# KiCad board HPM1500_DDR2_CORE_RevA.kicad_pcb (continued)
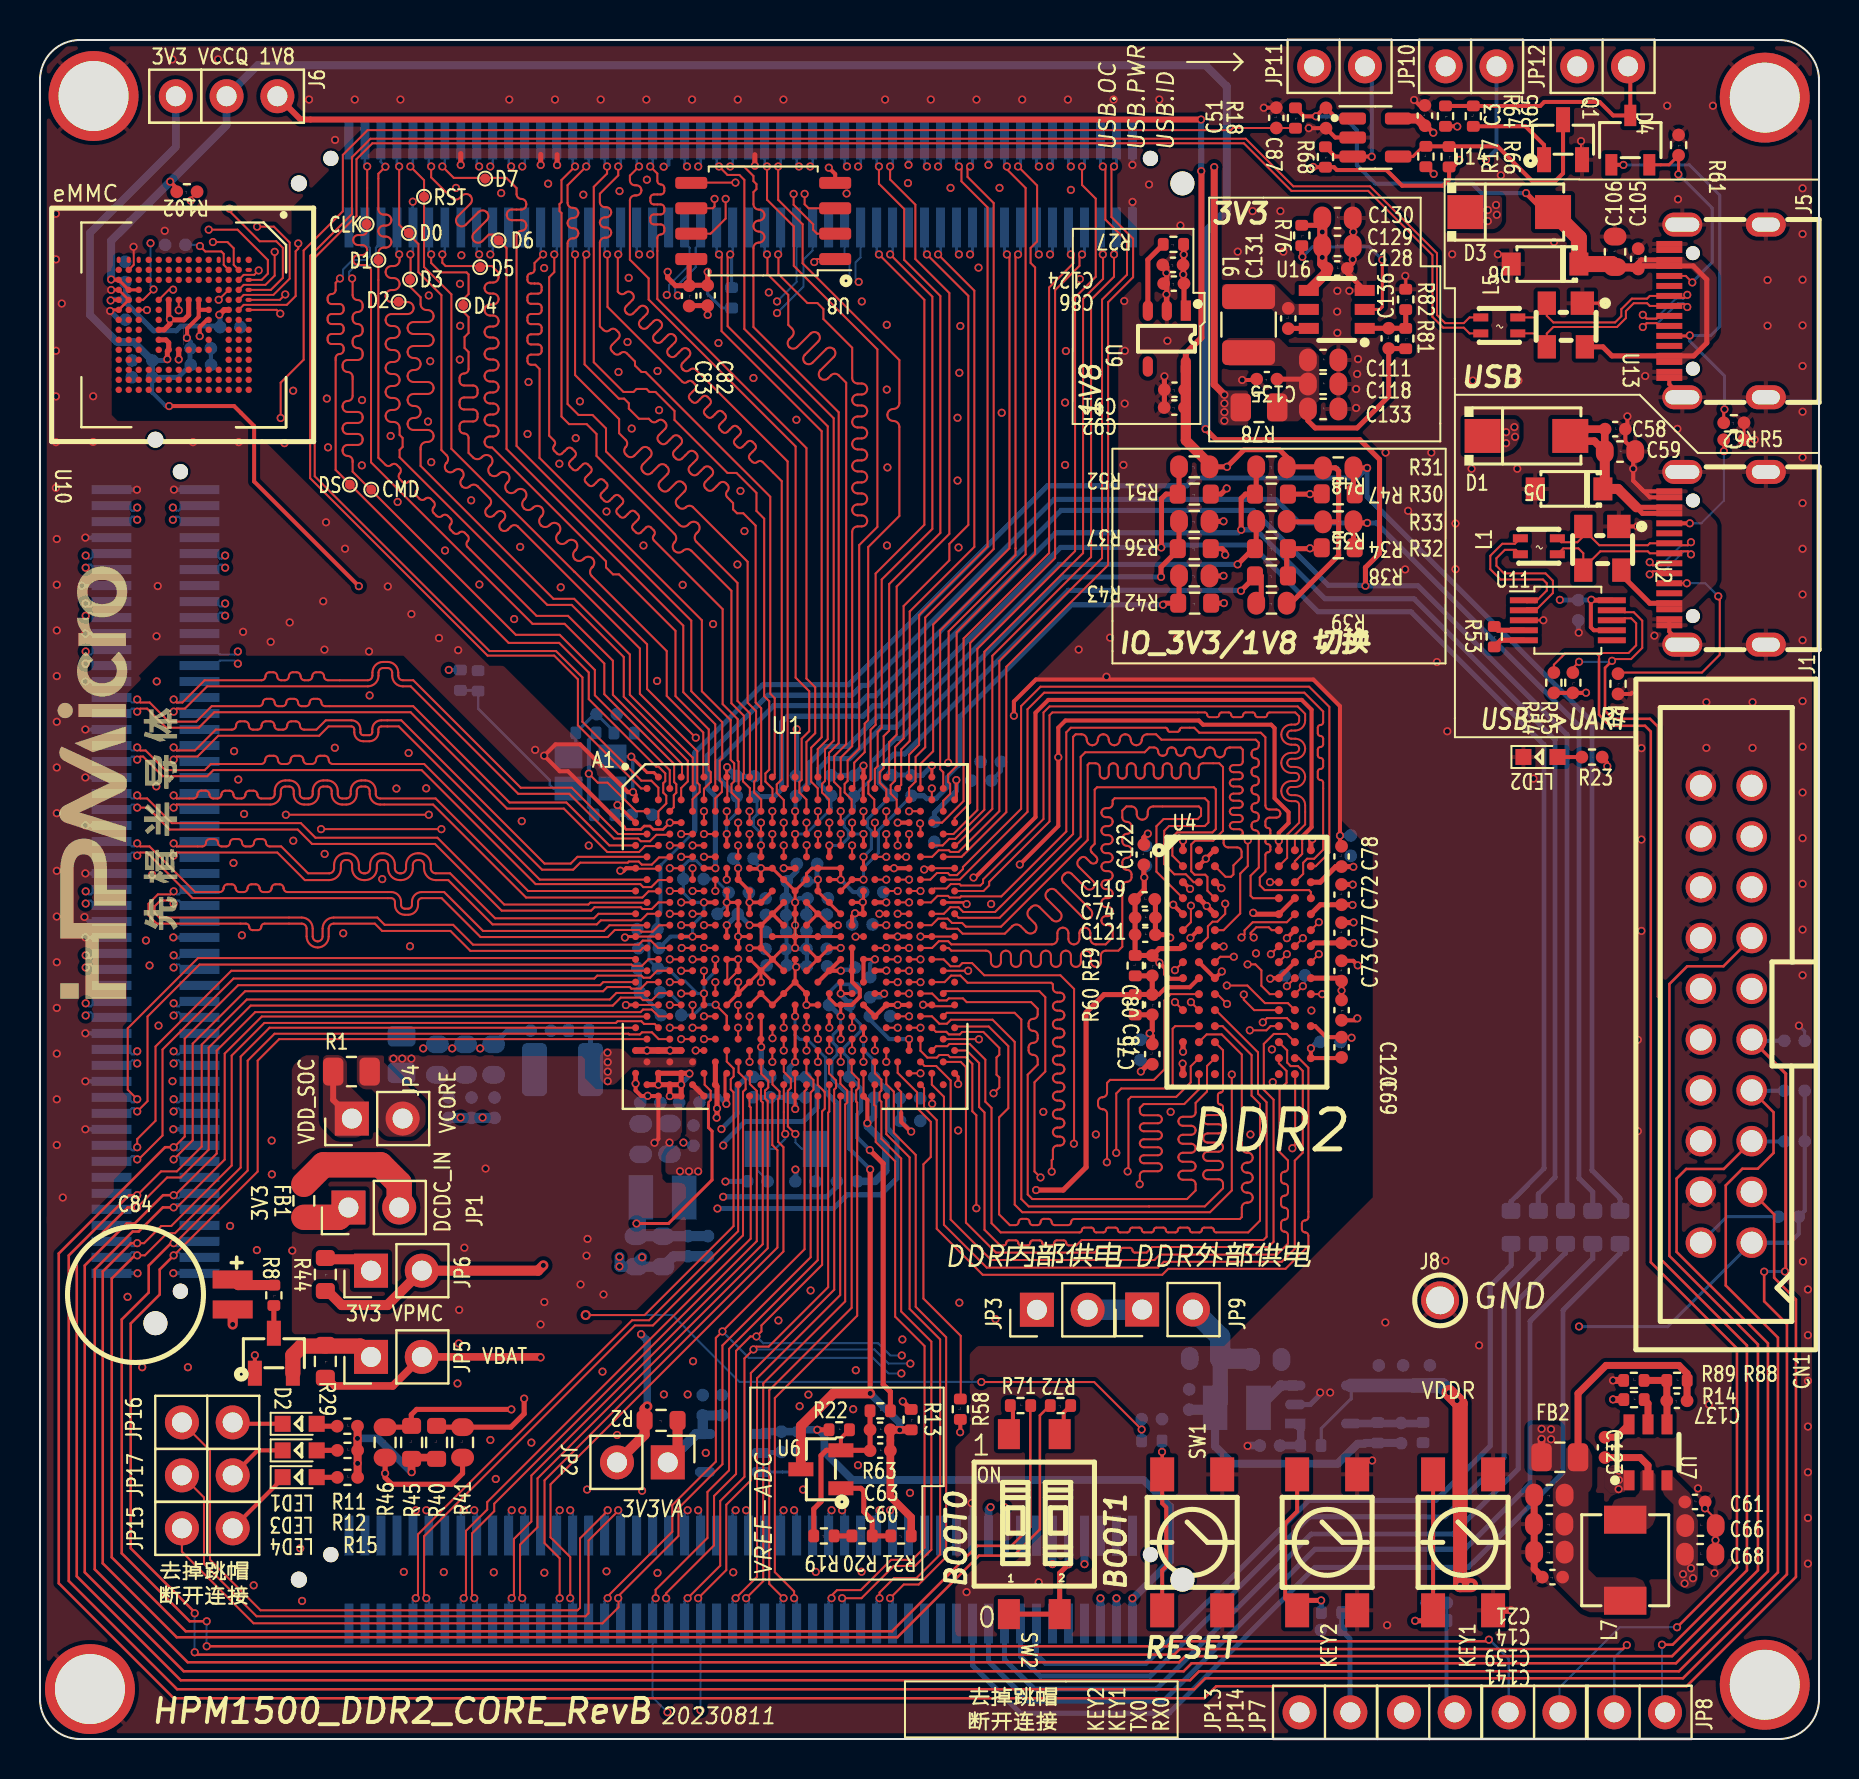
[diagram p0: board, top side]
## Routing (per net, layer and track width the routed paths; a pad name or vN(x,y) marks a point on that pad's centre or on a via; arc(x,y) is an arc through that point) (continued)
/Main/DDR2/DML: length 29.5
  Top w0.102: v1(60.42,44.96) 60.42,43.67 60.04,43.29 60.04,41.3 59.21,40.46 U4.F3 ; v1(42.34,42.99) U1.K22
  In2.Cu w0.102: v1(42.34,42.99) 42.9,42.99 43.14,43.24 43.14,43.38 47.69,47.92 54.15,47.92 arc(54.23,47.96) 54.26,48.04 arc(54.3,48.12) 54.38,48.16 54.75,48.16 arc(54.83,48.12) 54.86,48.04 arc(54.9,47.96) 54.98,47.92 55.35,47.92 arc(55.43,47.96) 55.46,48.04 arc(55.5,48.12) 55.58,48.16 55.95,48.16 arc(56.03,48.12) 56.06,48.04 arc(56.1,47.96) 56.18,47.92 56.55,47.92 arc(56.63,47.96) 56.66,48.04 arc(56.7,48.12) 56.78,48.16 57.15,48.16 arc(57.23,48.12) 57.26,48.04 arc(57.3,47.96) 57.38,47.92 57.75,47.92 arc(57.83,47.96) 57.86,48.04 arc(57.9,48.12) 57.98,48.16 58.35,48.16 arc(58.43,48.12) 58.46,48.04 arc(58.5,47.96) 58.58,47.92 59.09,47.92 60.42,46.59 v1(60.42,44.96)
/Main/DDR2/DMU: length 36.5
  Top w0.102: U1.N29 45.96,41.08 48,41.08 52.06,45.14 52.06,49.13 52.29,49.36 55.26,49.36 55.5,49.6 55.73,49.6 arc(55.88,49.54) 55.94,49.4 arc(56,49.25) 56.14,49.19 56.18,49.19 arc(56.33,49.25) 56.39,49.4 arc(56.45,49.54) 56.59,49.6 56.63,49.6 arc(56.78,49.54) 56.84,49.4 arc(56.9,49.25) 57.04,49.19 57.08,49.19 arc(57.23,49.25) 57.29,49.4 arc(57.35,49.54) 57.49,49.6 57.53,49.6 arc(57.7,49.53) 57.78,49.36 arc(57.85,49.19) 58.02,49.11 58.03,49.11 arc(58.2,49.19) 58.28,49.36 arc(58.35,49.53) 58.52,49.6 58.53,49.6 arc(58.7,49.53) 58.78,49.36 arc(58.85,49.19) 59.02,49.11 59.03,49.11 arc(59.2,49.19) 59.28,49.36 arc(59.35,49.53) 59.52,49.6 60.06,49.6 60.17,49.49 60.17,48.9 arc(60.12,48.78) 59.99,48.72 59.7,48.72 arc(59.57,48.67) 59.52,48.55 arc(59.57,48.42) 59.7,48.37 59.99,48.37 arc(60.12,48.32) 60.17,48.19 arc(60.12,48.06) 59.99,48.01 59.7,48.01 arc(59.57,47.96) 59.52,47.83 arc(59.57,47.71) 59.7,47.65 59.99,47.65 arc(60.12,47.6) 60.17,47.48 arc(60.12,47.35) 59.99,47.3 59.7,47.3 arc(59.57,47.25) 59.52,47.12 arc(59.57,46.99) 59.7,46.94 59.99,46.94 arc(60.12,46.89) 60.17,46.76 arc(60.12,46.64) 59.99,46.59 59.7,46.59 arc(59.57,46.53) 59.52,46.41 arc(59.57,46.28) 59.7,46.23 59.99,46.23 arc(60.12,46.18) 60.17,46.05 arc(60.12,45.92) 59.99,45.87 59.7,45.87 arc(59.57,45.82) 59.52,45.69 arc(59.57,45.57) 59.7,45.52 59.99,45.52 arc(60.12,45.46) 60.17,45.34 60.17,45.29 59.98,45.1 59.34,45.1 59.21,44.97 59.21,44.83 arc(59.28,44.67) 59.44,44.61 59.88,44.61 arc(60.04,44.54) 60.11,44.38 60.11,44.11 59.7,43.7 59.7,43.25 59.58,43.13 59.31,43.13 U4.B3
/Main/DDR2/DQL0: length 29.5
  Top w0.102: v1(59.72,39.13) 59.05,39.13 U4.H3 ; U1.T24 v1(43.47,39.57)
  In2.Cu w0.102: v1(59.72,39.13) 59.43,38.84 58.93,38.84 58.76,39.01 58.76,39.43 58.51,39.68 54.85,39.68 54.68,39.85 arc(54.5,39.93) 54.32,39.86 arc(54.14,39.78) 53.96,39.86 53.89,39.92 arc(53.82,40.1) 53.89,40.28 arc(53.97,40.46) 53.89,40.64 53.3,41.23 53.06,41.23 arc(52.92,41.18) 52.86,41.03 52.86,40.54 arc(52.8,40.4) 52.66,40.34 arc(52.52,40.4) 52.46,40.54 52.46,41.03 arc(52.4,41.18) 52.26,41.23 arc(52.12,41.18) 52.06,41.03 52.06,40.54 arc(52,40.4) 51.86,40.34 arc(51.72,40.4) 51.66,40.54 51.66,41.03 arc(51.6,41.18) 51.46,41.23 arc(51.32,41.18) 51.26,41.03 51.26,40.54 arc(51.2,40.4) 51.06,40.34 arc(50.92,40.4) 50.86,40.54 50.86,41.03 arc(50.8,41.18) 50.66,41.23 arc(50.52,41.18) 50.46,41.03 50.46,40.54 arc(50.4,40.4) 50.26,40.34 arc(50.12,40.4) 50.06,40.54 50.06,41.03 arc(50,41.18) 49.86,41.23 arc(49.72,41.18) 49.66,41.03 49.66,40.54 arc(49.6,40.4) 49.46,40.34 arc(49.32,40.4) 49.26,40.54 49.26,41.03 arc(49.2,41.18) 49.06,41.23 arc(48.92,41.18) 48.86,41.03 48.86,40.54 arc(48.8,40.4) 48.66,40.34 arc(48.52,40.4) 48.46,40.54 48.46,41.03 arc(48.4,41.18) 48.26,41.23 48.12,41.23 47.87,40.98 47.87,40.46 47.74,40.33 47.22,40.33 46.61,39.72 43.88,39.72 43.72,39.57 v1(43.47,39.57)
/Main/DDR2/DQL1: length 29.5
  Top w0.102: U4.F9 v1(63.97,40.86) ; U1.K24 v1(43.47,42.99)
  In2.Cu w0.102: v1(63.97,40.86) 63.97,41.9 arc(63.91,42.06) 63.74,42.13 arc(63.58,42.2) 63.51,42.36 63.51,42.5 arc(63.58,42.66) 63.74,42.73 arc(63.91,42.8) 63.97,42.96 63.97,43.4 63.08,44.29 60.37,44.29 59.98,44.68 59.98,46.39 58.89,47.48 47.78,47.48 44.34,44.05 44.18,44.05 43.78,43.65 43.78,43.3 v1(43.47,42.99)
/Main/DDR2/DQL2: length 29.5
  Top w0.102: U4.H1 v1(56.78,38.46) ; U1.T22 v1(42.34,39.57)
  In2.Cu w0.102: v1(56.78,38.46) 56.78,38.47 58.27,38.47 58.47,38.67 58.47,39.26 58.37,39.36 57.96,39.36 57.88,39.28 57.88,39.06 57.73,38.91 56.52,38.91 56.4,39.03 56.4,39.27 56.31,39.36 53.64,39.36 arc(53.51,39.41) 53.46,39.54 53.46,39.83 arc(53.4,39.96) 53.28,40.01 arc(53.15,39.96) 53.1,39.83 53.1,39.54 arc(53.05,39.41) 52.92,39.36 arc(52.8,39.41) 52.74,39.54 52.74,39.83 arc(52.69,39.96) 52.57,40.01 arc(52.44,39.96) 52.39,39.83 52.39,39.54 arc(52.34,39.41) 52.21,39.36 arc(52.08,39.41) 52.03,39.54 52.03,39.83 arc(51.98,39.96) 51.85,40.01 arc(51.73,39.96) 51.68,39.83 51.68,39.54 arc(51.62,39.41) 51.5,39.36 arc(51.37,39.41) 51.32,39.54 51.32,39.83 arc(51.27,39.96) 51.14,40.01 arc(51.01,39.96) 50.96,39.83 50.96,39.54 arc(50.91,39.41) 50.78,39.36 arc(50.66,39.41) 50.61,39.54 50.61,39.83 arc(50.55,39.96) 50.43,40.01 arc(50.3,39.96) 50.25,39.83 50.25,39.54 arc(50.2,39.41) 50.07,39.36 arc(49.95,39.41) 49.89,39.54 49.89,39.83 arc(49.84,39.96) 49.71,40.01 arc(49.59,39.96) 49.54,39.83 49.54,39.54 arc(49.48,39.41) 49.36,39.36 arc(49.23,39.41) 49.18,39.54 49.18,39.83 arc(49.13,39.96) 49,40.01 arc(48.88,39.96) 48.82,39.83 48.82,39.54 arc(48.77,39.41) 48.65,39.36 arc(48.52,39.41) 48.47,39.54 48.47,39.83 arc(48.42,39.96) 48.29,40.01 arc(48.16,39.96) 48.11,39.83 48.11,39.54 arc(48.06,39.41) 47.93,39.36 arc(47.81,39.41) 47.75,39.54 47.75,39.83 arc(47.7,39.96) 47.58,40.01 arc(47.45,39.96) 47.4,39.83 47.4,39.54 arc(47.35,39.41) 47.22,39.36 43.83,39.36 43.69,39.22 43.26,39.22 42.9,39.57 v1(42.34,39.57)
/Main/DDR2/DQL3: length 29.5
  Top w0.102: U4.G8 v1(63.18,40.06) ; v1(42.91,42.42) U1.L23
  In2.Cu w0.102: v1(63.18,40.06) 63.18,41.82 62.92,42.07 arc(62.86,42.22) 62.92,42.36 arc(62.98,42.5) 62.92,42.64 62.82,42.75 arc(62.67,42.81) 62.53,42.75 arc(62.39,42.69) 62.25,42.75 62.14,42.85 arc(62.08,42.99) 62.14,43.14 arc(62.2,43.28) 62.14,43.42 62.04,43.53 arc(61.9,43.58) 61.75,43.52 arc(61.61,43.47) 61.47,43.52 61.06,43.93 60.14,43.93 59.62,44.45 59.62,46.14 58.72,47.04 47.89,47.04 44.72,43.88 44.72,43.34 44.37,42.99 44.03,42.99 43.47,42.42 v1(42.91,42.42)
/Main/DDR2/DQL4: length 29.5
  Top w0.102: v1(57.58,41.69) 57.58,40.86 U4.F1 ; U1.N25 v1(42.91,41.28)
  In2.Cu w0.102: v1(42.91,41.28) 45.22,41.28 45.68,41.75 45.68,42.14 46.12,42.58 46.12,43.14 47.25,44.26 47.64,44.26 arc(47.82,44.34) 47.89,44.51 47.89,44.78 arc(47.96,44.95) 48.14,45.03 arc(48.32,44.95) 48.39,44.78 48.39,44.51 arc(48.46,44.34) 48.64,44.26 arc(48.82,44.34) 48.89,44.51 48.89,44.78 arc(48.96,44.95) 49.14,45.03 arc(49.32,44.95) 49.39,44.78 49.39,44.51 arc(49.46,44.34) 49.64,44.26 arc(49.82,44.34) 49.89,44.51 49.89,44.78 arc(49.96,44.95) 50.14,45.03 arc(50.32,44.95) 50.39,44.78 50.39,44.51 arc(50.46,44.34) 50.64,44.26 arc(50.82,44.34) 50.89,44.51 50.89,44.78 arc(50.96,44.95) 51.14,45.03 arc(51.32,44.95) 51.39,44.78 51.39,44.51 arc(51.46,44.34) 51.64,44.26 arc(51.82,44.34) 51.89,44.51 51.89,44.78 arc(51.96,44.95) 52.14,45.03 arc(52.32,44.95) 52.39,44.78 52.39,44.51 arc(52.46,44.34) 52.64,44.26 arc(52.82,44.34) 52.89,44.51 52.89,44.78 arc(52.96,44.95) 53.14,45.03 arc(53.32,44.95) 53.39,44.78 53.39,44.51 arc(53.46,44.34) 53.64,44.26 arc(53.82,44.34) 53.89,44.51 53.89,44.78 arc(53.96,44.95) 54.14,45.03 arc(54.32,44.95) 54.39,44.78 54.39,44.51 arc(54.46,44.34) 54.64,44.26 55,44.26 55.13,44.13 arc(55.31,44.06) 55.48,44.14 55.69,44.34 arc(55.87,44.41) 56.04,44.34 arc(56.12,44.16) 56.04,43.99 55.84,43.78 arc(55.76,43.6) 55.84,43.43 arc(56.01,43.35) 56.19,43.43 56.4,43.63 arc(56.57,43.71) 56.75,43.63 arc(56.82,43.46) 56.75,43.28 56.54,43.07 arc(56.47,42.9) 56.54,42.72 v1(57.58,41.69)
/Main/DDR2/DQL5: length 29.5
  Top w0.102: U4.H9 v1(63.97,39.26) ; v1(44.05,42.42) U1.L25
  In2.Cu w0.102: v1(63.97,39.26) 63.47,39.26 62.82,39.92 62.82,40.7 62.57,40.95 arc(62.5,41.11) 62.57,41.27 62.72,41.42 arc(62.79,41.58) 62.72,41.74 arc(62.56,41.8) 62.41,41.74 62.25,41.58 arc(62.09,41.52) 61.93,41.58 arc(61.87,41.74) 61.93,41.9 62.09,42.06 arc(62.15,42.22) 62.09,42.38 arc(61.93,42.44) 61.77,42.38 61.61,42.22 arc(61.45,42.15) 61.3,42.22 59.18,44.33 59.18,45.88 58.38,46.68 48.08,46.68 45.1,43.71 45.1,43.22 44.31,42.42 v1(44.05,42.42)
/Main/DDR2/DQL6: length 29.5
  Top w0.102: U1.N23 v1(41.99,41.28) ; U4.G2 58.42,40.11 58.42,40.66 58.66,40.89 58.9,40.89 59.29,41.28 v1(59.29,41.79)
  In2.Cu w0.102: v1(59.29,41.79) 58.99,41.79 57.87,42.9 57.87,45.44 57.49,45.82 57.03,45.82 arc(56.82,45.74) 56.73,45.52 56.73,45.52 arc(56.64,45.31) 56.43,45.22 arc(56.22,45.31) 56.13,45.52 56.13,45.52 arc(56.04,45.74) 55.83,45.82 54.95,45.82 arc(54.81,45.76) 54.75,45.62 arc(54.69,45.47) 54.54,45.41 54.4,45.41 arc(54.26,45.47) 54.2,45.62 arc(54.14,45.76) 53.99,45.82 53.85,45.82 arc(53.71,45.76) 53.65,45.62 arc(53.59,45.47) 53.44,45.41 53.3,45.41 arc(53.16,45.47) 53.1,45.62 arc(53.04,45.76) 52.89,45.82 52.75,45.82 arc(52.61,45.76) 52.55,45.62 arc(52.49,45.47) 52.34,45.41 52.2,45.41 arc(52.06,45.47) 52,45.62 arc(51.94,45.76) 51.79,45.82 51.65,45.82 arc(51.51,45.76) 51.45,45.62 arc(51.39,45.47) 51.24,45.41 51.1,45.41 arc(50.96,45.47) 50.9,45.62 arc(50.84,45.76) 50.69,45.82 50.55,45.82 arc(50.41,45.76) 50.35,45.62 arc(50.29,45.47) 50.14,45.41 50,45.41 arc(49.86,45.47) 49.8,45.62 arc(49.74,45.76) 49.59,45.82 49.45,45.82 arc(49.31,45.76) 49.25,45.62 arc(49.19,45.47) 49.04,45.41 48.9,45.41 arc(48.76,45.47) 48.7,45.62 arc(48.64,45.76) 48.49,45.82 48.27,45.82 45.81,43.37 45.81,42.81 44.69,41.69 44.09,41.69 43.89,41.49 43.29,41.49 43.14,41.64 42.69,41.64 U1.N23 v1(41.99,41.28)
/Main/DDR2/DQL7: length 29.5
  Top w0.102: U1.M24 v1(43.47,41.85) ; U4.H7 v1(62.38,39.26)
  In2.Cu w0.102: v1(62.38,39.26) 62.02,39.62 62.02,40.82 60.6,42.24 arc(60.39,42.33) 60.18,42.24 60.06,42.13 arc(59.85,42.04) 59.64,42.13 arc(59.55,42.34) 59.64,42.55 59.75,42.67 arc(59.84,42.88) 59.75,43.09 59.54,43.3 arc(59.38,43.37) 59.22,43.3 59.06,43.14 arc(58.9,43.07) 58.74,43.14 arc(58.67,43.3) 58.74,43.46 58.9,43.62 arc(58.97,43.78) 58.9,43.94 58.82,44.02 58.82,44.36 arc(58.74,44.56) 58.55,44.64 58.48,44.64 arc(58.29,44.72) 58.21,44.91 arc(58.29,45.11) 58.48,45.19 58.55,45.19 arc(58.74,45.27) 58.82,45.46 58.82,45.64 58.18,46.28 48.19,46.28 45.47,43.56 45.47,43.07 44.39,41.99 43.94,41.99 43.81,41.85 v1(43.47,41.85)
/Main/DDR2/DQU8: length 36.5
  Top w0.102: U1.N27 45.22,41.28 45.54,41.61 45.95,41.61 46.19,41.37 47.78,41.37 51.68,45.27 51.68,50.13 51.81,50.26 52.09,50.26 arc(52.29,50.18) 52.37,49.99 arc(52.45,49.8) 52.64,49.72 52.64,49.72 arc(52.84,49.8) 52.92,49.99 arc(53,50.18) 53.19,50.26 53.19,50.26 arc(53.39,50.18) 53.47,49.99 arc(53.55,49.8) 53.74,49.72 53.74,49.72 arc(53.94,49.8) 54.02,49.99 arc(54.1,50.18) 54.29,50.26 54.29,50.26 arc(54.49,50.18) 54.57,49.99 arc(54.65,49.8) 54.84,49.72 54.84,49.72 arc(55.04,49.8) 55.12,49.99 arc(55.2,50.18) 55.39,50.26 55.83,50.26 56.1,49.99 60.82,49.99 60.97,49.84 60.97,49.69 arc(60.92,49.57) 60.79,49.51 arc(60.66,49.46) 60.61,49.33 60.61,49.24 arc(60.66,49.12) 60.79,49.06 arc(60.92,49.01) 60.97,48.88 60.97,48.79 arc(60.92,48.67) 60.79,48.61 arc(60.66,48.56) 60.61,48.43 60.61,48.34 arc(60.66,48.22) 60.79,48.16 arc(60.92,48.11) 60.97,47.98 60.97,47.89 arc(60.92,47.77) 60.79,47.71 arc(60.66,47.66) 60.61,47.53 60.61,47.44 arc(60.66,47.32) 60.79,47.26 arc(60.92,47.21) 60.97,47.08 60.97,46.99 arc(60.92,46.87) 60.79,46.81 arc(60.66,46.76) 60.61,46.63 60.61,46.54 arc(60.66,46.42) 60.79,46.36 arc(60.92,46.31) 60.97,46.18 60.97,46.09 arc(60.92,45.97) 60.79,45.91 arc(60.66,45.86) 60.61,45.73 60.61,45.64 arc(60.66,45.52) 60.79,45.46 arc(60.92,45.41) 60.97,45.28 60.97,43.6 60.56,43.19 60.56,42.18 60.68,42.06 U4.D7
/Main/DDR2/DQU9: length 36.5
  Top w0.102: U4.D3 58.4,42.44 58.4,43.13 58.29,43.24 57.76,43.24 57.59,43.41 57.59,44.75 57.78,44.94 58.69,44.94 59.18,45.43 59.18,48.62 58.99,48.81 58.19,48.81 arc(58.03,48.75) 57.97,48.59 57.97,48.27 arc(57.9,48.12) 57.74,48.05 arc(57.58,48.12) 57.52,48.27 57.52,48.59 arc(57.45,48.75) 57.29,48.81 arc(57.13,48.75) 57.06,48.59 57.06,48.27 arc(57,48.12) 56.84,48.05 arc(56.68,48.12) 56.62,48.27 56.62,48.59 arc(56.55,48.75) 56.39,48.81 arc(56.23,48.75) 56.17,48.59 56.17,48.27 arc(56.1,48.12) 55.94,48.05 arc(55.78,48.12) 55.72,48.27 55.72,48.59 arc(55.65,48.75) 55.49,48.81 arc(55.33,48.75) 55.27,48.59 55.27,48.27 arc(55.2,48.12) 55.04,48.05 arc(54.88,48.12) 54.81,48.27 54.81,48.59 arc(54.75,48.75) 54.59,48.81 arc(54.43,48.75) 54.37,48.59 54.37,48.27 arc(54.3,48.12) 54.14,48.05 arc(53.98,48.12) 53.92,48.27 53.92,48.59 arc(53.85,48.75) 53.69,48.81 arc(53.53,48.75) 53.47,48.59 53.47,48.27 arc(53.4,48.12) 53.24,48.05 arc(53.08,48.12) 53.02,48.27 53.02,48.59 arc(52.95,48.75) 52.79,48.81 52.49,48.81 52.41,48.73 52.41,44.97 48.08,40.64 46.31,40.64 46.13,40.82 45.62,40.82 45.41,41.04 44.93,41.04 44.6,40.71 U1.P26
/Main/DDR2/DQU10: length 36.5
  Top w0.102: U1.M26 44.58,41.85 44.9,42.18 45.42,42.18 45.51,42.1 46.02,42.1 46.08,42.15 48.09,42.15 51.34,45.4 51.34,50.36 51.57,50.59 56.31,50.59 arc(56.38,50.56) 56.41,50.49 arc(56.44,50.42) 56.51,50.39 56.91,50.39 arc(56.98,50.42) 57.01,50.49 arc(57.04,50.56) 57.11,50.59 57.74,50.59 57.99,50.34 61.07,50.34 61.3,50.11 61.3,46.7 arc(61.36,46.56) 61.5,46.5 61.85,46.5 arc(61.99,46.44) 62.05,46.3 arc(61.99,46.15) 61.85,46.1 61.5,46.1 arc(61.36,46.04) 61.3,45.89 61.3,45.7 arc(61.34,45.62) 61.43,45.58 arc(61.51,45.54) 61.55,45.45 61.55,45.3 arc(61.51,45.21) 61.43,45.17 arc(61.34,45.14) 61.3,45.05 61.3,44.89 arc(61.34,44.8) 61.43,44.77 arc(61.51,44.73) 61.55,44.64 61.55,44.49 arc(61.51,44.4) 61.43,44.36 arc(61.34,44.32) 61.3,44.24 61.3,43.38 61.02,43.1 61.02,42.71 61.27,42.47 63.49,42.47 63.58,42.38 U4.D9
/Main/DDR2/DQU11: length 36.5
  Top w0.102: U1.P28 45.37,40.53 45.91,40.53 46.16,40.29 48.27,40.29 48.64,40.66 arc(48.85,40.75) 49.06,40.66 49.34,40.39 arc(49.55,40.3) 49.76,40.39 arc(49.85,40.6) 49.76,40.81 49.49,41.09 arc(49.4,41.3) 49.49,41.51 49.6,41.63 arc(49.8,41.71) 49.99,41.63 50.64,40.98 arc(50.83,40.9) 51.02,40.98 arc(51.11,41.18) 51.02,41.37 50.38,42.02 arc(50.3,42.21) 50.38,42.4 50.43,42.45 arc(50.62,42.53) 50.82,42.45 52.17,41.1 arc(52.36,41.02) 52.56,41.1 arc(52.64,41.29) 52.56,41.49 51.21,42.84 arc(51.12,43.04) 51.21,43.23 51.26,43.28 arc(51.43,43.36) 51.61,43.28 52.33,42.57 arc(52.5,42.49) 52.68,42.57 arc(52.75,42.74) 52.68,42.92 51.97,43.64 arc(51.89,43.81) 51.97,43.99 52.05,44.07 arc(52.19,44.13) 52.33,44.07 52.55,43.85 arc(52.69,43.8) 52.84,43.85 arc(52.89,44) 52.84,44.14 52.61,44.36 arc(52.56,44.5) 52.62,44.64 52.76,44.78 52.76,47.49 52.88,47.61 58.72,47.61 58.82,47.51 58.82,45.52 58.65,45.35 56.88,45.35 56.65,45.12 56.65,44.2 U4.B1
/Main/DDR2/DQU12: length 36.5
  Top w0.102: U1.K28 46.01,42.99 49.4,46.38 49.4,51.51 50.23,52.34 63.25,52.34 64.19,51.4 64.19,50.86 arc(64.15,50.77) 64.06,50.73 arc(63.96,50.69) 63.92,50.6 63.92,50.31 arc(63.96,50.22) 64.06,50.18 arc(64.15,50.14) 64.19,50.05 64.19,49.76 arc(64.15,49.67) 64.06,49.63 arc(63.96,49.59) 63.92,49.5 63.92,49.21 arc(63.96,49.12) 64.06,49.08 arc(64.15,49.04) 64.19,48.95 64.19,48.66 arc(64.15,48.57) 64.06,48.53 arc(63.96,48.49) 63.92,48.4 63.92,48.11 arc(63.96,48.02) 64.06,47.98 arc(64.15,47.94) 64.19,47.85 64.19,44.49 63.74,44.04 63.39,44.04 63.19,43.84 63.19,43.28 U4.C8
/Main/DDR2/DQU13: length 36.5
  Top w0.102: U1.T28 45.46,39.57 45.59,39.44 47.32,39.44 arc(47.5,39.37) 47.57,39.19 47.57,38.88 arc(47.64,38.7) 47.82,38.63 arc(48,38.7) 48.07,38.88 48.07,39.19 arc(48.14,39.37) 48.32,39.44 arc(48.5,39.37) 48.57,39.19 48.57,38.88 arc(48.64,38.7) 48.82,38.63 arc(49,38.7) 49.07,38.88 49.07,39.19 arc(49.14,39.37) 49.32,39.44 arc(49.5,39.37) 49.57,39.19 49.57,38.88 arc(49.64,38.7) 49.82,38.63 arc(50,38.7) 50.07,38.88 50.07,39.19 arc(50.14,39.37) 50.32,39.44 arc(50.5,39.37) 50.57,39.19 50.57,38.88 arc(50.64,38.7) 50.82,38.63 arc(51,38.7) 51.07,38.88 51.07,39.19 arc(51.14,39.37) 51.32,39.44 arc(51.5,39.37) 51.57,39.19 51.57,38.88 arc(51.64,38.7) 51.82,38.63 arc(52,38.7) 52.07,38.88 52.07,39.19 arc(52.14,39.37) 52.32,39.44 arc(52.5,39.37) 52.57,39.19 52.57,38.88 arc(52.64,38.7) 52.82,38.63 arc(53,38.7) 53.07,38.88 53.07,39.19 arc(53.14,39.37) 53.32,39.44 53.94,39.44 54.14,39.64 54.14,42.65 arc(54.21,42.82) 54.37,42.88 arc(54.54,42.95) 54.6,43.11 54.6,43.25 arc(54.54,43.42) 54.37,43.48 arc(54.21,43.55) 54.14,43.71 54.14,43.85 arc(54.21,44.02) 54.37,44.08 arc(54.54,44.15) 54.6,44.31 54.6,44.45 arc(54.54,44.62) 54.37,44.68 arc(54.21,44.75) 54.14,44.91 54.14,45.05 arc(54.21,45.22) 54.37,45.28 arc(54.54,45.35) 54.6,45.51 54.6,45.65 arc(54.54,45.82) 54.37,45.88 arc(54.21,45.95) 54.14,46.11 54.14,46.45 54.35,46.65 54.59,46.65 arc(54.78,46.57) 54.87,46.38 54.87,46.27 arc(54.95,46.07) 55.14,45.99 arc(55.33,46.07) 55.42,46.27 55.42,46.38 arc(55.5,46.57) 55.69,46.65 57.97,46.65 58.08,46.54 58.08,46.19 57.91,46.02 56.21,46.02 55.85,45.66 55.85,43.39 U4.D1
/Main/DDR2/DQU14: length 36.5
  Top w0.102: U1.K26 44.54,42.99 44.87,43.33 45.41,43.33 45.52,43.22 45.87,43.22 46.17,43.52 46.17,43.62 49.08,46.53 49.08,51.67 50.05,52.64 63.49,52.64 64.5,51.63 64.5,44.35 63.82,43.67 U4.B9
/Main/DDR2/DQU15: length 36.5
  Top w0.102: U4.C2 57.72,42.86 57.32,43.26 56.75,43.26 56.24,43.77 56.24,45.43 56.48,45.67 58.27,45.67 58.45,45.85 58.45,46.88 58.27,47.06 53.76,47.06 53.66,46.96 53.66,46.79 arc(53.59,46.64) 53.44,46.57 53.32,46.57 arc(53.16,46.5) 53.1,46.34 arc(53.16,46.19) 53.32,46.12 53.44,46.12 arc(53.59,46.05) 53.66,45.89 arc(53.59,45.74) 53.44,45.67 53.32,45.67 arc(53.16,45.6) 53.1,45.44 arc(53.16,45.29) 53.32,45.22 53.44,45.22 arc(53.59,45.15) 53.66,44.99 arc(53.59,44.84) 53.44,44.77 53.32,44.77 arc(53.16,44.7) 53.1,44.54 arc(53.16,44.39) 53.32,44.32 53.44,44.32 arc(53.59,44.25) 53.66,44.09 arc(53.59,43.94) 53.44,43.87 53.32,43.87 arc(53.16,43.8) 53.1,43.64 arc(53.16,43.49) 53.32,43.42 53.44,43.42 arc(53.59,43.35) 53.66,43.19 arc(53.59,43.04) 53.44,42.97 53.32,42.97 arc(53.16,42.9) 53.1,42.74 arc(53.16,42.59) 53.32,42.52 53.44,42.52 arc(53.59,42.45) 53.66,42.29 arc(53.59,42.14) 53.44,42.07 53.32,42.07 arc(53.16,42) 53.1,41.84 arc(53.16,41.69) 53.32,41.62 53.44,41.62 arc(53.59,41.55) 53.66,41.39 arc(53.59,41.24) 53.44,41.17 53.32,41.17 arc(53.16,41.1) 53.1,40.94 arc(53.16,40.79) 53.32,40.72 53.44,40.72 arc(53.59,40.65) 53.66,40.49 53.66,40.1 53.31,39.75 52.82,39.75 arc(52.63,39.84) 52.55,40.03 52.55,40.32 arc(52.46,40.51) 52.27,40.59 arc(52.08,40.51) 52,40.32 52,40.03 arc(51.91,39.84) 51.72,39.75 arc(51.53,39.84) 51.44,40.03 51.44,40.32 arc(51.36,40.51) 51.17,40.59 arc(50.98,40.51) 50.9,40.32 50.9,40.03 arc(50.81,39.84) 50.62,39.75 45.59,39.75 45.43,39.91 44.97,39.91 44.63,39.57 U1.T26
/Main/DDR2/LDQS_N: length 29.5
  Top w0.102: U4.E8 62.37,40.86 60.67,40.86 60.26,40.45 60.26,40.25 v1(60.11,40.1) ; U1.P22 v1(42.34,40.71)
  In2.Cu w0.102: v1(42.34,40.71) 42.92,40.71 43.29,40.34 43.64,40.34 43.92,40.62 46.27,40.62 47.16,41.51 47.16,42.51 47.7,43.04 47.97,43.04 arc(48.13,42.98) 48.19,42.82 48.19,42.52 arc(48.35,42.15) 48.72,42 arc(49.09,42.15) 49.25,42.52 49.25,42.82 arc(49.31,42.98) 49.47,43.04 arc(49.63,42.98) 49.69,42.82 49.69,42.52 arc(49.85,42.15) 50.22,42 arc(50.59,42.15) 50.75,42.52 50.75,42.82 arc(50.81,42.98) 50.97,43.04 arc(51.13,42.98) 51.19,42.82 51.19,42.52 arc(51.35,42.15) 51.72,42 arc(52.09,42.15) 52.25,42.52 52.25,42.82 arc(52.31,42.98) 52.47,43.04 52.71,43.04 55.21,40.54 60.16,40.54 60.26,40.44 60.26,40.25 v1(60.11,40.1)
/Main/DDR2/LDQS_P: length 29.5
  Top w0.102: U4.F7 61.62,40.46 61.47,40.61 60.84,40.61 60.56,40.33 60.56,40.25 v1(60.72,40.1) ; v1(43.47,40.71) U1.P24
  In2.Cu w0.102: v1(43.47,40.71) 43.68,40.92 46.15,40.92 46.86,41.63 46.86,42.63 47.57,43.35 47.97,43.35 arc(48.34,43.19) 48.5,42.82 48.5,42.52 arc(48.56,42.37) 48.72,42.3 arc(48.88,42.37) 48.94,42.52 48.94,42.82 arc(49.1,43.19) 49.47,43.35 arc(49.84,43.19) 50,42.82 50,42.52 arc(50.06,42.37) 50.22,42.3 arc(50.38,42.37) 50.44,42.52 50.44,42.82 arc(50.6,43.19) 50.97,43.35 arc(51.34,43.19) 51.5,42.82 51.5,42.52 arc(51.56,42.37) 51.72,42.3 arc(51.88,42.37) 51.94,42.52 51.94,42.82 arc(52.1,43.19) 52.47,43.35 52.83,43.35 53.02,43.16 arc(53.18,43.1) 53.34,43.16 53.41,43.24 arc(53.57,43.3) 53.73,43.24 arc(53.8,43.08) 53.73,42.92 53.65,42.84 arc(53.59,42.69) 53.65,42.53 arc(53.81,42.46) 53.97,42.53 54.05,42.6 arc(54.21,42.67) 54.37,42.6 arc(54.43,42.44) 54.37,42.28 54.29,42.21 arc(54.22,42.05) 54.29,41.89 arc(54.45,41.82) 54.61,41.89 54.68,41.96 arc(54.84,42.03) 55,41.96 arc(55.07,41.81) 55,41.65 54.93,41.57 arc(54.86,41.41) 54.93,41.25 55.33,40.85 60.35,40.85 60.56,40.63 60.56,40.25 v1(60.72,40.1)
/Main/DDR2/ODT: length 34.9
  Top w0.102: U1.U27 45.21,39 45.55,38.66 45.99,38.66 46.15,38.82 46.62,38.82 47.24,38.21 51.05,38.21 51.73,37.52 51.73,29.79 v1(51.72,29.78) ; U4.K9 v1(64.14,37.26)
  In2.Cu w0.102: v1(51.72,29.78) 62.15,29.78 64.14,31.78 v1(64.14,37.26)
/Main/DDR2/RAS: length 34.9
  Top w0.102: v1(43.47,37.29) U1.Y24 ; v1(60.41,38.75) 60.8,38.75 61.1,38.45 61.1,37.68 61.52,37.26 U4.K7
  In2.Cu w0.102: v1(43.47,37.29) 43.69,37.08 43.87,37.08 43.98,37.19 44.44,37.19 45.42,36.22 45.42,35.5 47.05,33.86 47.97,33.86 48.15,33.68 48.15,33.08 48.39,32.84 55.77,32.84 arc(55.97,32.93) 56.05,33.12 56.05,33.16 arc(56.13,33.36) 56.33,33.44 arc(56.53,33.36) 56.61,33.16 56.61,33.12 arc(56.69,32.93) 56.89,32.84 57.52,32.84 57.7,33.03 57.7,33.83 arc(57.78,34.01) 57.96,34.08 arc(58.14,34.01) 58.21,33.83 58.21,33.34 arc(58.29,33.16) 58.47,33.08 58.76,33.08 59.01,33.34 arc(59.08,33.52) 59.01,33.7 58.66,34.04 arc(58.59,34.22) 58.66,34.4 arc(58.84,34.48) 59.02,34.4 59.37,34.05 arc(59.55,33.98) 59.73,34.05 59.8,34.12 59.8,35.4 59.64,35.56 59.64,35.97 59.88,36.21 60.14,36.21 60.29,36.06 60.68,36.06 61.05,36.43 61.05,36.56 arc(61,36.69) 60.88,36.74 arc(60.75,36.79) 60.7,36.91 60.7,37.02 arc(60.75,37.15) 60.88,37.2 arc(61,37.25) 61.05,37.37 61.05,37.42 arc(60.98,37.6) 60.8,37.68 60.45,37.68 arc(60.27,37.75) 60.2,37.93 arc(60.27,38.11) 60.45,38.19 60.8,38.19 arc(60.98,38.26) 61.05,38.44 61.05,38.61 60.91,38.75 v1(60.41,38.75)
/Main/DDR2/UDQS_N: length 36.5
  Top w0.097: U1.L27 44.74,42.55 45.34,42.55 45.56,42.77 46,42.77 46.07,42.7 47.04,42.7 47.18,42.83 47.18,43.01 50.2,46.03 50.2,51.35 50.5,51.66 62.92,51.66 63.29,51.29 63.29,50.95 arc(63.14,50.6) 62.79,50.45 62.6,50.45 arc(62.45,50.39) 62.39,50.25 arc(62.45,50.1) 62.6,50.05 62.79,50.05 arc(63.14,49.9) 63.29,49.54 arc(63.14,49.19) 62.79,49.04 62.6,49.04 arc(62.45,48.98) 62.39,48.84 arc(62.45,48.69) 62.6,48.63 62.79,48.63 arc(63.14,48.49) 63.29,48.13 arc(63.14,47.77) 62.79,47.63 62.6,47.63 arc(62.45,47.57) 62.39,47.42 arc(62.45,47.28) 62.6,47.22 62.79,47.22 arc(63.14,47.07) 63.29,46.72 63.29,45.75 62.78,45.24 U4.A8
/Main/DDR2/UDQS_P: length 36.5
  Top w0.097: U1.L29 47.2,42.42 47.48,42.71 47.48,42.89 50.5,45.9 50.5,51.21 50.64,51.36 58.27,51.36 arc(58.36,51.32) 58.39,51.24 arc(58.43,51.15) 58.51,51.12 58.87,51.12 arc(58.96,51.15) 58.99,51.24 arc(59.03,51.32) 59.11,51.36 59.47,51.36 arc(59.56,51.32) 59.59,51.24 arc(59.63,51.15) 59.71,51.12 60.07,51.12 arc(60.16,51.15) 60.19,51.24 arc(60.23,51.32) 60.31,51.36 60.67,51.36 arc(60.76,51.32) 60.79,51.24 arc(60.83,51.15) 60.91,51.12 61.27,51.12 arc(61.36,51.15) 61.39,51.24 arc(61.43,51.32) 61.51,51.36 62.79,51.36 62.99,51.16 62.99,50.95 arc(62.93,50.81) 62.79,50.75 62.6,50.75 arc(62.24,50.6) 62.09,50.25 arc(62.24,49.89) 62.6,49.75 62.79,49.75 arc(62.93,49.69) 62.99,49.54 arc(62.93,49.4) 62.79,49.34 62.6,49.34 arc(62.24,49.19) 62.09,48.84 arc(62.24,48.48) 62.6,48.33 62.79,48.33 arc(62.93,48.27) 62.99,48.13 arc(62.93,47.99) 62.79,47.93 62.6,47.93 arc(62.24,47.78) 62.09,47.42 arc(62.24,47.07) 62.6,46.92 62.79,46.92 arc(62.93,46.86) 62.99,46.72 62.99,45.85 62.39,45.24 62.39,44.08 U4.B7
/Main/DDR2/WE: length 34.9
  Top w0.102: v1(59.38,36.77) 58.89,37.26 U4.K3 ; U1.W23 v1(42.91,37.86)
  In2.Cu w0.102: v1(42.91,37.86) 43.47,37.86 43.86,37.48 44.81,37.48 45.81,36.48 45.81,35.51 47.14,34.18 48.43,34.18 arc(48.59,34.12) 48.66,33.96 48.66,33.45 arc(48.73,33.28) 48.89,33.22 arc(49.05,33.28) 49.12,33.45 49.12,33.96 arc(49.19,34.12) 49.35,34.18 arc(49.51,34.12) 49.58,33.96 49.58,33.45 arc(49.64,33.28) 49.81,33.22 arc(49.97,33.28) 50.04,33.45 50.04,33.96 arc(50.1,34.12) 50.27,34.18 arc(50.43,34.12) 50.49,33.96 50.49,33.45 arc(50.56,33.28) 50.72,33.22 arc(50.89,33.28) 50.95,33.45 50.95,33.96 arc(51.02,34.12) 51.18,34.18 arc(51.35,34.12) 51.41,33.96 51.41,33.45 arc(51.48,33.28) 51.64,33.22 arc(51.8,33.28) 51.87,33.45 51.87,33.96 arc(51.94,34.12) 52.1,34.18 arc(52.26,34.12) 52.33,33.96 52.33,33.45 arc(52.4,33.28) 52.56,33.22 arc(52.72,33.28) 52.79,33.45 52.79,33.96 arc(52.86,34.12) 53.02,34.18 arc(53.18,34.12) 53.25,33.96 53.25,33.45 arc(53.31,33.28) 53.48,33.22 arc(53.64,33.28) 53.71,33.45 53.71,33.96 arc(53.77,34.12) 53.94,34.18 arc(54.1,34.12) 54.17,33.96 54.17,33.45 arc(54.23,33.28) 54.39,33.22 arc(54.56,33.28) 54.62,33.45 54.62,33.96 arc(54.69,34.12) 54.85,34.18 56.38,34.18 57.04,34.84 57.4,34.84 arc(57.59,34.93) 57.68,35.12 arc(57.76,35.31) 57.95,35.39 57.96,35.39 arc(58.15,35.31) 58.23,35.12 arc(58.31,34.93) 58.51,34.84 59.13,34.84 59.38,35.09 59.38,35.24 arc(59.3,35.43) 59.1,35.52 58.81,35.52 arc(58.61,35.6) 58.53,35.8 58.53,35.91 58.66,36.04 58.66,36.3 58.53,36.43 58.53,36.64 58.66,36.77 v1(59.38,36.77)
/Main/MCU-04/VIO_B05: length 32.8